# KiCad board JumperLuxRev2Breadboard.kicad_pcb
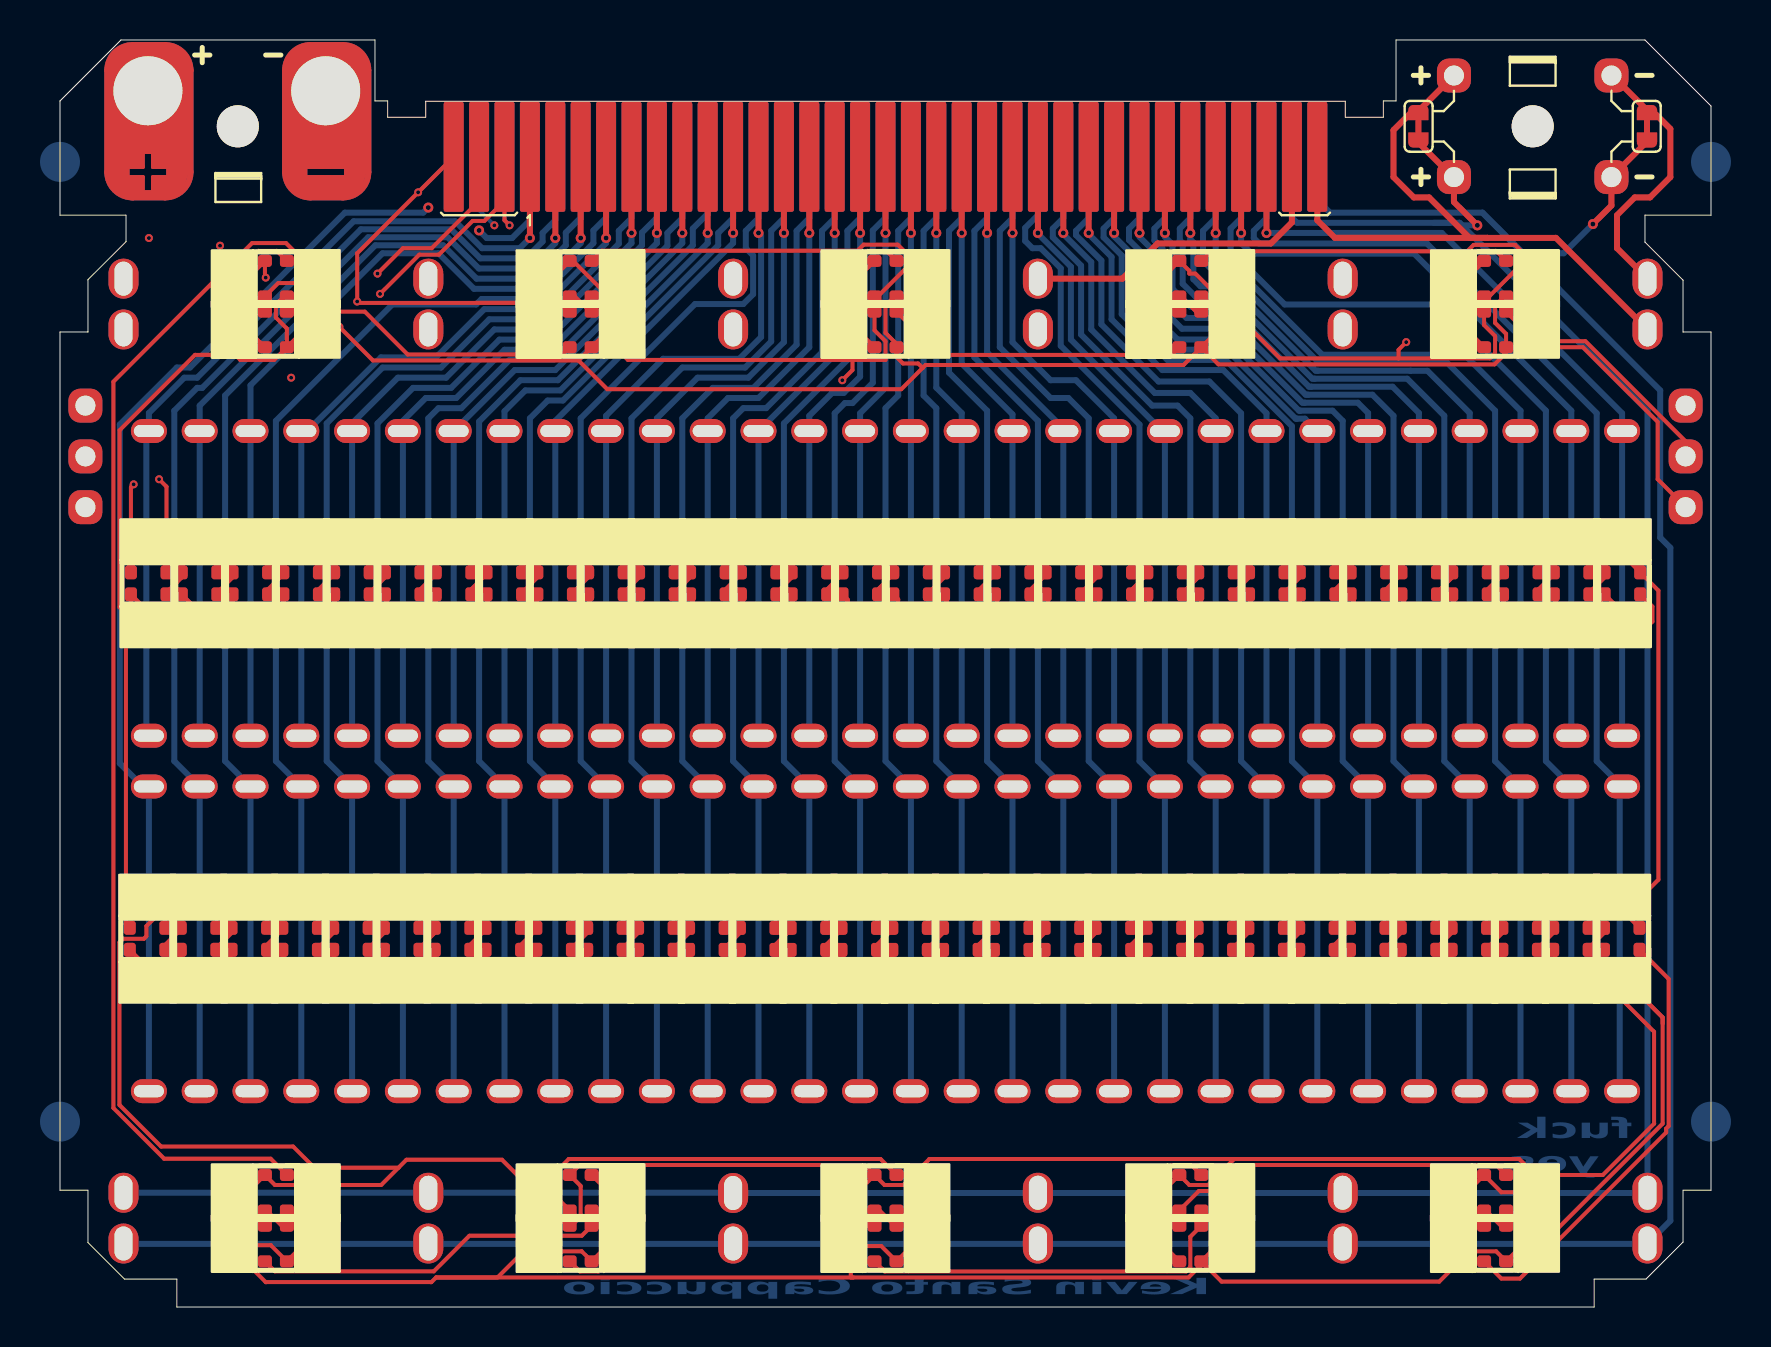
[diagram p0: board, top side]
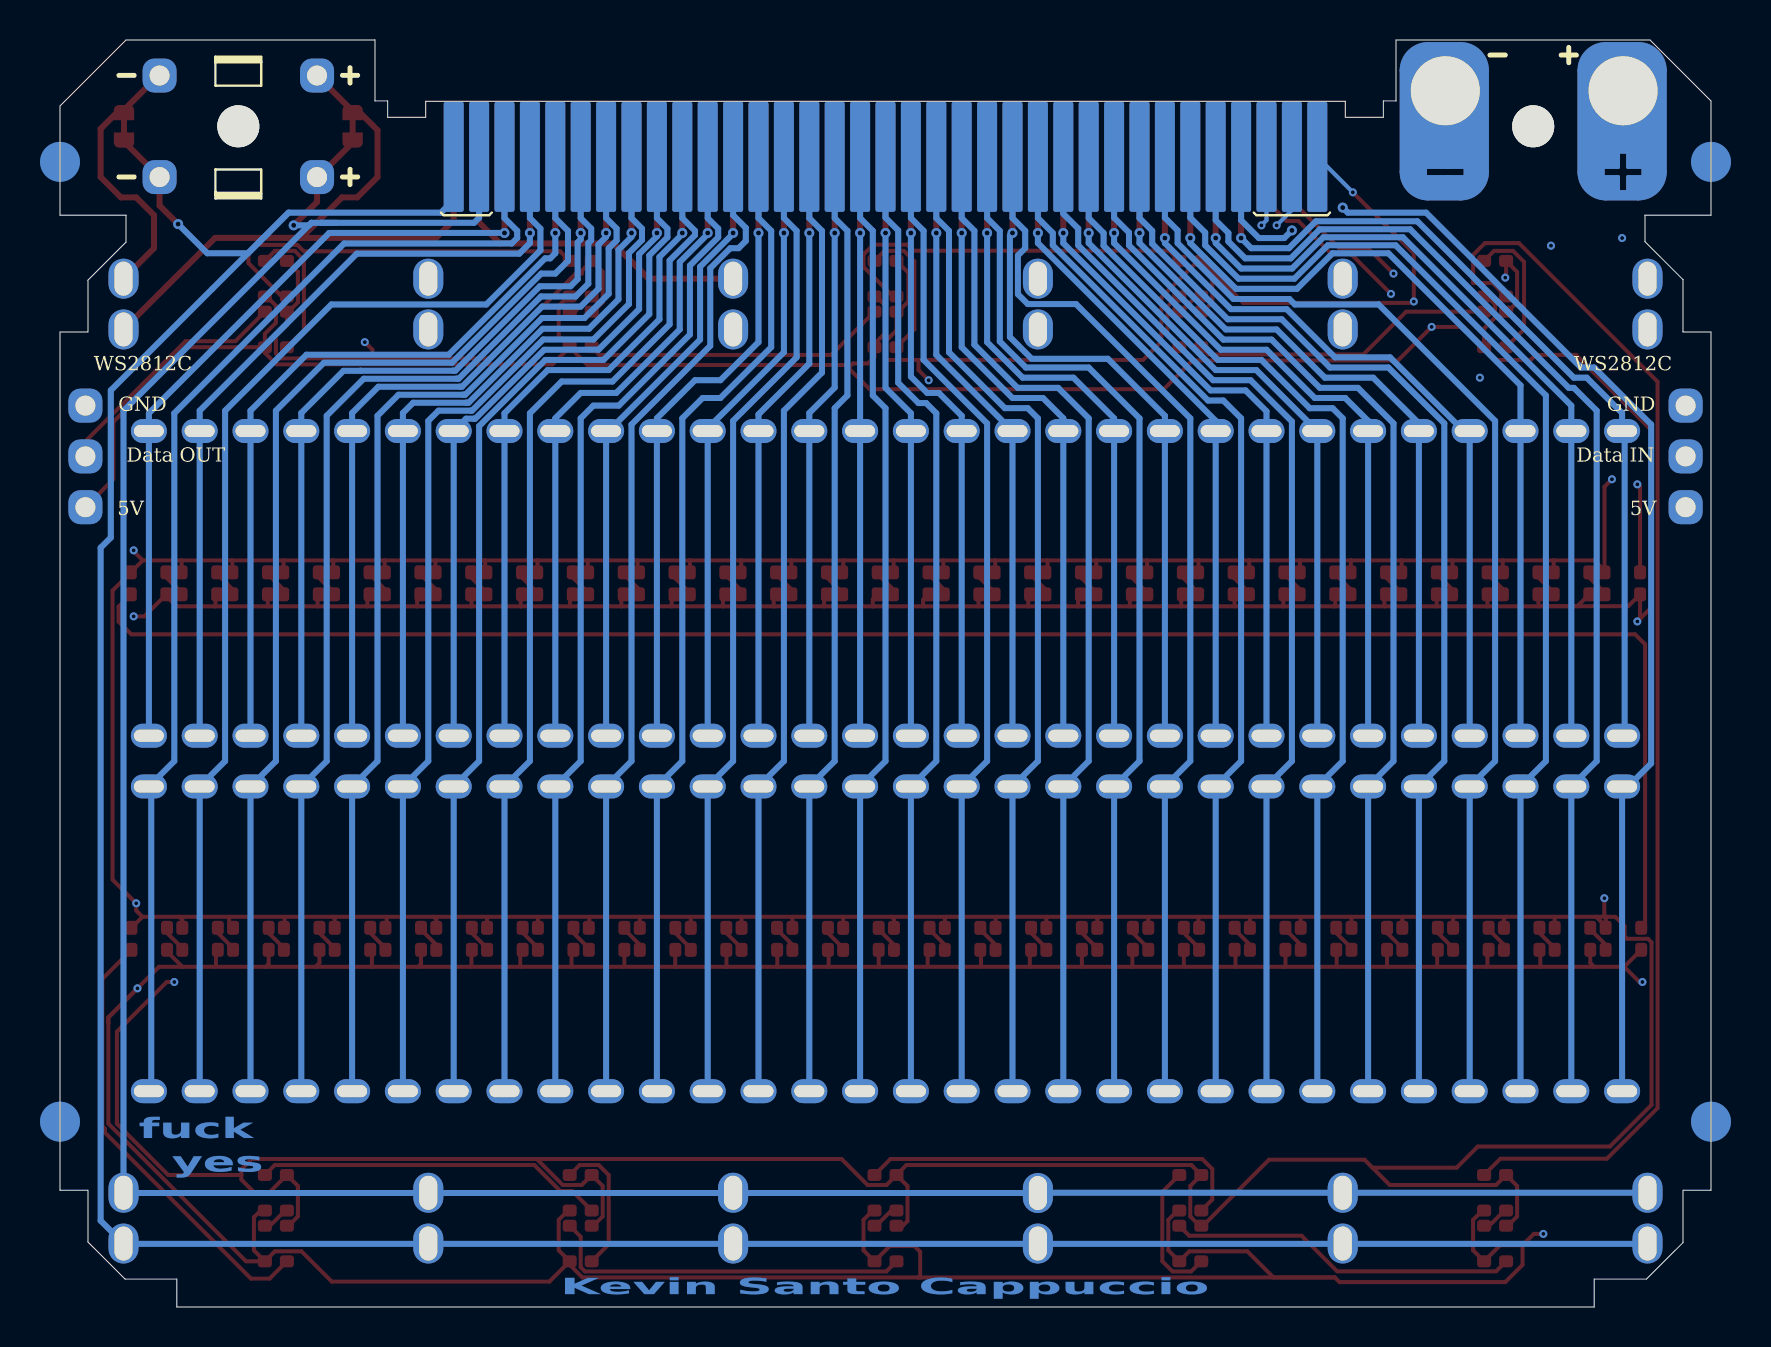
[diagram p1: board, bottom side, seen from below]

Outline 82.55 x 63.37 mm; copper layers: Top, In1.Cu, In2.Cu, Bottom. Coordinates in mm from the lower left corner of the outline.
Outline path: 16.38,60.32 15.75,60.32 15.75,63.37 3.05,63.37 0,60.32 0,54.61 3.3,54.61 3.3,53.29 1.4,51.38 1.4,48.77 0,48.77 0,5.84 1.4,5.84 1.4,3.23 3.23,1.4 5.84,1.4 5.84,0 76.71,0 76.71,1.4 79.3,1.4 81.15,3.25 81.15,5.84 82.55,5.84 82.55,48.77 81.15,48.77 81.15,51.36 79.25,53.26 79.25,54.61 82.55,54.61 82.55,60.07 79.25,63.37 66.8,63.37 66.8,60.32 66.17,60.32
Stack: Top 0.035mm / dielectric 0.1mm FR4 er 4.5 / In1.Cu 0.035mm / dielectric 1.24mm FR4 er 4.5 / In2.Cu 0.035mm / dielectric 0.1mm FR4 er 4.5 / Bottom 0.035mm

## Placement (name value [footprint] x y rotation side)
D1  WS2812B  [LED_WS2812B-2020_PLCC4_2.0x2.0mm]  4.44 36.19 90 top
D2  WS2812B  [LED_WS2812B-2020_PLCC4_2.0x2.0mm]  6.98 36.19 90 top
D3  WS2812B  [LED_WS2812B-2020_PLCC4_2.0x2.0mm]  9.52 36.19 90 top
D4  WS2812B  [LED_WS2812B-2020_PLCC4_2.0x2.0mm]  12.06 36.19 90 top
D5  WS2812B  [LED_WS2812B-2020_PLCC4_2.0x2.0mm]  14.6 36.19 90 top
D6  WS2812B  [LED_WS2812B-2020_PLCC4_2.0x2.0mm]  17.14 36.19 90 top
D7  WS2812B  [LED_WS2812B-2020_PLCC4_2.0x2.0mm]  19.68 36.19 90 top
D8  WS2812B  [LED_WS2812B-2020_PLCC4_2.0x2.0mm]  22.22 36.19 90 top
D9  WS2812B  [LED_WS2812B-2020_PLCC4_2.0x2.0mm]  24.76 36.19 90 top
D10  WS2812B  [LED_WS2812B-2020_PLCC4_2.0x2.0mm]  27.3 36.19 90 top
D11  WS2812B  [LED_WS2812B-2020_PLCC4_2.0x2.0mm]  29.85 36.19 90 top
D12  WS2812B  [LED_WS2812B-2020_PLCC4_2.0x2.0mm]  32.39 36.19 90 top
D13  WS2812B  [LED_WS2812B-2020_PLCC4_2.0x2.0mm]  34.93 36.19 90 top
D14  WS2812B  [LED_WS2812B-2020_PLCC4_2.0x2.0mm]  37.47 36.19 90 top
D15  WS2812B  [LED_WS2812B-2020_PLCC4_2.0x2.0mm]  40.01 36.19 90 top
D16  WS2812B  [LED_WS2812B-2020_PLCC4_2.0x2.0mm]  42.55 36.19 90 top
D17  WS2812B  [LED_WS2812B-2020_PLCC4_2.0x2.0mm]  45.09 36.19 90 top
D18  WS2812B  [LED_WS2812B-2020_PLCC4_2.0x2.0mm]  47.63 36.19 90 top
D19  WS2812B  [LED_WS2812B-2020_PLCC4_2.0x2.0mm]  50.17 36.19 90 top
D20  WS2812B  [LED_WS2812B-2020_PLCC4_2.0x2.0mm]  52.71 36.19 90 top
D21  WS2812B  [LED_WS2812B-2020_PLCC4_2.0x2.0mm]  55.25 36.2 90 top
D22  WS2812B  [LED_WS2812B-2020_PLCC4_2.0x2.0mm]  57.8 36.2 90 top
D23  WS2812B  [LED_WS2812B-2020_PLCC4_2.0x2.0mm]  60.34 36.2 90 top
D24  WS2812B  [LED_WS2812B-2020_PLCC4_2.0x2.0mm]  62.88 36.2 90 top
D25  WS2812B  [LED_WS2812B-2020_PLCC4_2.0x2.0mm]  65.42 36.2 90 top
D26  WS2812B  [LED_WS2812B-2020_PLCC4_2.0x2.0mm]  67.96 36.2 90 top
D27  WS2812B  [LED_WS2812B-2020_PLCC4_2.0x2.0mm]  70.5 36.2 90 top
D28  WS2812B  [LED_WS2812B-2020_PLCC4_2.0x2.0mm]  73.04 36.2 90 top
D29  WS2812B  [LED_WS2812B-2020_PLCC4_2.0x2.0mm]  75.58 36.2 90 top
D30  WS2812B  [LED_WS2812B-2020_PLCC4_2.0x2.0mm]  78.12 36.2 90 top
D31  WS2812B  [LED_WS2812B-2020_PLCC4_2.0x2.0mm]  4.38 18.42 90 top
D32  WS2812B  [LED_WS2812B-2020_PLCC4_2.0x2.0mm]  6.93 18.42 90 top
D33  WS2812B  [LED_WS2812B-2020_PLCC4_2.0x2.0mm]  9.47 18.42 90 top
D34  WS2812B  [LED_WS2812B-2020_PLCC4_2.0x2.0mm]  12.01 18.42 90 top
D35  WS2812B  [LED_WS2812B-2020_PLCC4_2.0x2.0mm]  14.55 18.42 90 top
D36  WS2812B  [LED_WS2812B-2020_PLCC4_2.0x2.0mm]  17.09 18.42 90 top
D37  WS2812B  [LED_WS2812B-2020_PLCC4_2.0x2.0mm]  19.63 18.42 90 top
D38  WS2812B  [LED_WS2812B-2020_PLCC4_2.0x2.0mm]  22.17 18.42 90 top
D39  WS2812B  [LED_WS2812B-2020_PLCC4_2.0x2.0mm]  24.71 18.42 90 top
D40  WS2812B  [LED_WS2812B-2020_PLCC4_2.0x2.0mm]  27.25 18.42 90 top
D41  WS2812B  [LED_WS2812B-2020_PLCC4_2.0x2.0mm]  29.79 18.42 90 top
D42  WS2812B  [LED_WS2812B-2020_PLCC4_2.0x2.0mm]  32.34 18.41 90 top
D43  WS2812B  [LED_WS2812B-2020_PLCC4_2.0x2.0mm]  34.88 18.41 90 top
D44  WS2812B  [LED_WS2812B-2020_PLCC4_2.0x2.0mm]  37.42 18.41 90 top
D45  WS2812B  [LED_WS2812B-2020_PLCC4_2.0x2.0mm]  39.96 18.41 90 top
D46  WS2812B  [LED_WS2812B-2020_PLCC4_2.0x2.0mm]  42.5 18.41 90 top
D47  WS2812B  [LED_WS2812B-2020_PLCC4_2.0x2.0mm]  45.04 18.41 90 top
D48  WS2812B  [LED_WS2812B-2020_PLCC4_2.0x2.0mm]  47.58 18.41 90 top
D49  WS2812B  [LED_WS2812B-2020_PLCC4_2.0x2.0mm]  50.12 18.41 90 top
D50  WS2812B  [LED_WS2812B-2020_PLCC4_2.0x2.0mm]  52.67 18.41 90 top
D51  WS2812B  [LED_WS2812B-2020_PLCC4_2.0x2.0mm]  55.22 18.42 90 top
D52  WS2812B  [LED_WS2812B-2020_PLCC4_2.0x2.0mm]  57.77 18.42 90 top
D53  WS2812B  [LED_WS2812B-2020_PLCC4_2.0x2.0mm]  60.31 18.42 90 top
D54  WS2812B  [LED_WS2812B-2020_PLCC4_2.0x2.0mm]  62.85 18.42 90 top
D55  WS2812B  [LED_WS2812B-2020_PLCC4_2.0x2.0mm]  65.39 18.42 90 top
D56  WS2812B  [LED_WS2812B-2020_PLCC4_2.0x2.0mm]  67.93 18.42 90 top
D57  WS2812B  [LED_WS2812B-2020_PLCC4_2.0x2.0mm]  70.47 18.42 90 top
D58  WS2812B  [LED_WS2812B-2020_PLCC4_2.0x2.0mm]  73.01 18.42 90 top
D59  WS2812B  [LED_WS2812B-2020_PLCC4_2.0x2.0mm]  75.55 18.42 90 top
D60  WS2812B  [LED_WS2812B-2020_PLCC4_2.0x2.0mm]  78.09 18.42 90 top
D71  WS2812B  [LED_WS2812B-2020_PLCC4_2.0x2.0mm]  71.76 3.17 180 top
D72  WS2812B  [LED_WS2812B-2020_PLCC4_2.0x2.0mm]  71.76 5.71 180 top
D73  WS2812B  [LED_WS2812B-2020_PLCC4_2.0x2.0mm]  56.52 5.71 180 top
D74  WS2812B  [LED_WS2812B-2020_PLCC4_2.0x2.0mm]  56.52 3.17 180 top
D75  WS2812B  [LED_WS2812B-2020_PLCC4_2.0x2.0mm]  41.27 3.17 180 top
D76  WS2812B  [LED_WS2812B-2020_PLCC4_2.0x2.0mm]  41.27 5.71 180 top
D77  WS2812B  [LED_WS2812B-2020_PLCC4_2.0x2.0mm]  26.04 5.71 180 top
D78  WS2812B  [LED_WS2812B-2020_PLCC4_2.0x2.0mm]  26.04 3.17 180 top
D79  WS2812B  [LED_WS2812B-2020_PLCC4_2.0x2.0mm]  10.8 3.17 180 top
D80  WS2812B  [LED_WS2812B-2020_PLCC4_2.0x2.0mm]  10.79 5.71 180 top
D81  WS2812B  [LED_WS2812B-2020_PLCC4_2.0x2.0mm]  10.8 51.44 180 top
D82  WS2812B  [LED_WS2812B-2020_PLCC4_2.0x2.0mm]  10.8 48.89 180 top
D83  WS2812B  [LED_WS2812B-2020_PLCC4_2.0x2.0mm]  26.04 48.89 180 top
D84  WS2812B  [LED_WS2812B-2020_PLCC4_2.0x2.0mm]  26.04 51.44 180 top
D85  WS2812B  [LED_WS2812B-2020_PLCC4_2.0x2.0mm]  41.27 51.44 180 top
D86  WS2812B  [LED_WS2812B-2020_PLCC4_2.0x2.0mm]  41.27 48.89 180 top
D87  WS2812B  [LED_WS2812B-2020_PLCC4_2.0x2.0mm]  56.52 48.89 180 top
D88  WS2812B  [LED_WS2812B-2020_PLCC4_2.0x2.0mm]  56.52 51.44 180 top
D89  WS2812B  [LED_WS2812B-2020_PLCC4_2.0x2.0mm]  71.76 51.44 180 top
D90  WS2812B  [LED_WS2812B-2020_PLCC4_2.0x2.0mm]  71.76 48.89 180 top
J1  Conn_02x35_Top_Bottom  [HEE70LP03BK]  41.27 56.01 0 top
J11  Connector_Breadboard  [Breadboard_CustomClips_CorrectPins_1]  41.27 27.3 0 top
JP1  POS_TOP_BOTTOM  [SolderJumper_2_Bridged_Small]  67.92 59.05 90 top
JP2  NEG_TOP_BOTTOM  [SolderJumper_2_Bridged_Small]  79.35 59.05 270 top
NOREF  -  [unnamed]  82.55 9.27 0 top
NOREF#2  -  [unnamed]  0 57.28 0 top
NOREF#3  -  [unnamed]  0 9.27 0 top
NOREF#4  -  [unnamed]  82.55 57.28 0 top
REF**  -  [MountingHole_2.7mm_M2.5]  73.63 59.05 0 top
REF**#2  -  [MountingHole_2.7mm_M2.5]  8.89 59.05 0 top
TP15  LED DOUT  [PinHeader_1x01_P2.54mm_Vertical_Rounded]  81.28 42.54 0 top
TP16  LED DIN  [PinHeader_1x01_P2.54mm_Vertical_Rounded]  1.27 42.54 0 top
TP20  LED GND  [PinHeader_1x01_P2.54mm_Vertical_Rounded]  1.27 45.08 0 top
TP21  LED 5V  [PinHeader_1x01_P2.54mm_Vertical_Rounded]  1.27 40 0 top
TP22  LED 5V  [PinHeader_1x01_P2.54mm_Vertical_Rounded]  81.28 40 0 top
TP23  LED GND  [PinHeader_1x01_P2.54mm_Vertical_Rounded]  81.28 45.08 0 top
TP24  TOP_POS_RAIL  [Pad_Clip_Banana_PlusSmaller]  4.4 60.83 0 top
TP25  TOP_POS_RAIL  [PinHeader_1x01_P2.54mm_Vertical_Rounded]  69.7 61.59 90 top
TP26  TOP_NEG_RAIL  [Pad_Clip_Banana_Minus]  13.29 60.83 0 top
TP27  TOP_NEG_RAIL  [PinHeader_1x01_P2.54mm_Vertical_Rounded]  77.57 61.59 90 top
TP29  BOTTOM_POS_RAIL  [PinHeader_1x01_P2.54mm_Vertical_Rounded]  69.7 56.51 90 top
TP31  BOTTOM_NEG_RAIL  [PinHeader_1x01_P2.54mm_Vertical_Rounded]  77.57 56.51 90 top

## Library data of the parts
D1-D60 D71-D90 = -: Description: RGB LED with integrated controller
J1 = -: Description: Generic connector, double row, 02x35, top/bottom pin numbering scheme (row 1: 1...pins_per_row, row2: pins_per_row+1 ... num_pins), script generated (kicad-library-utils/schlib/autogen/connector/)
JP1 JP2 = -: Description: Jumper, 2-pole, closed/bridged
TP15 TP16 TP20-TP27 TP29 TP31 = -: Description: test point

## Footprints (pads in the part's own frame, mm; a bottom-side part is the same pattern mirrored in y, then rotated)
Breadboard_CustomClips_CorrectPins_1
  oval 1.8x1.2 hole 1.5x0.6: 1(-36.83,16.51) 1(-36.83,1.27) 2(-34.29,16.51) 2(-34.29,1.27) 3(-31.75,16.51) 3(-31.75,1.27) 4(-29.21,16.51) 4(-29.21,1.27) 5(-26.67,16.51) 5(-26.67,1.27) 6(-24.13,16.51) 6(-24.13,1.27) 7(-21.59,16.51) 7(-21.59,1.27) 8(-19.05,16.51) 8(-19.05,1.27) 9(-16.51,16.51) 9(-16.51,1.27) 10(-13.97,16.51) 10(-13.97,1.27) 11(-11.43,16.51) 11(-11.43,1.27) 12(-8.89,16.51) 12(-8.89,1.27) 13(-6.35,16.51) 13(-6.35,1.27) 14(-3.81,16.51) 14(-3.81,1.27) 15(-1.27,16.51) 15(-1.27,1.27) 16(1.27,16.51) 16(1.27,1.27) 17(3.81,16.51) 17(3.81,1.27) 18(6.35,16.51) 18(6.35,1.27) 19(8.89,16.51) 19(8.89,1.27) 20(11.43,16.51) 20(11.43,1.27) 21(13.97,16.51) 21(13.97,1.27) 22(16.51,16.51) 22(16.51,1.27) 23(19.05,16.51) 23(19.05,1.27) 24(21.59,16.51) 24(21.59,1.27) 25(24.13,16.51) 25(24.13,1.27) 26(26.67,16.51) 26(26.67,1.27) 27(29.21,16.51) 27(29.21,1.27) 28(31.75,16.51) 28(31.75,1.27) 29(34.29,16.51) 29(34.29,1.27) 30(36.83,16.51) 30(36.83,1.27) 31(-36.83,-1.27) 31(-36.83,-16.51) 32(-34.29,-1.27) 32(-34.29,-16.51) 33(-31.75,-1.27) 33(-31.75,-16.51) 34(-29.21,-1.27) 34(-29.21,-16.51) 35(-26.67,-1.27) 35(-26.67,-16.51) 36(-24.13,-1.27) 36(-24.13,-16.51) 37(-21.59,-1.27) 37(-21.59,-16.51) 38(-19.05,-1.27) 38(-19.05,-16.51) 39(-16.51,-1.27) 39(-16.51,-16.51) 40(-13.97,-1.27) 40(-13.97,-16.51) 41(-11.43,-1.27) 41(-11.43,-16.51) 42(-8.89,-1.27) 42(-8.89,-16.51) 43(-6.35,-1.27) 43(-6.35,-16.51) 44(-3.81,-1.27) 44(-3.81,-16.51) 45(-1.27,-1.27) 45(-1.27,-16.51) 46(1.27,-1.27) 46(1.27,-16.51) 47(3.81,-1.27) 47(3.81,-16.51) 48(6.35,-1.27) 48(6.35,-16.51) 49(8.89,-1.27) 49(8.89,-16.51) 50(11.43,-1.27) 50(11.43,-16.51) 51(13.97,-1.27) 51(13.97,-16.51) 52(16.51,-1.27) 52(16.51,-16.51) 53(19.05,-1.27) 53(19.05,-16.51) 54(21.59,-1.27) 54(21.59,-16.51) 55(24.13,-1.27) 55(24.13,-16.51) 56(26.67,-1.27) 56(26.67,-16.51) 57(29.21,-1.27) 57(29.21,-16.51) 58(31.75,-1.27) 58(31.75,-16.51) 59(34.29,-1.27) 59(34.29,-16.51) 60(36.83,-1.27) 60(36.83,-16.51)
  oval 1.5x2 hole 0.9x1.7: 61(-38.1,24.13) 61(-22.86,24.13) 61(-7.62,24.13) 61(7.62,24.13) 61(22.86,24.13) 61(38.1,24.13) 62(-38.1,21.59) 62(-22.86,21.59) 62(-7.62,21.59) 62(7.62,21.59) 62(22.86,21.59) 62(38.1,21.59) 63(-38.1,-21.59) 63(-22.86,-21.59) 63(-7.62,-21.603) 63(7.62,-21.59) 63(22.86,-21.59) 63(38.1,-21.59) 64(-38.1,-24.13) 64(-22.86,-24.13) 64(-7.62,-24.13) 64(7.62,-24.13) 64(22.86,-24.13) 64(38.1,-24.13)
HEE70LP03BK
  rrect 1x5.5 smd: 1(-17.78,1.524) 2(-16.51,1.524) 3(-15.24,1.524) 4(-13.97,1.524) 5(-12.7,1.524) 6(-11.43,1.524) 7(-10.16,1.524) 8(-8.89,1.524) 9(-7.62,1.524) 10(-6.35,1.524) 11(-5.08,1.524) 12(-3.81,1.524) 13(-2.54,1.524) 14(-1.27,1.524) 15(0,1.524) 16(1.27,1.524) 17(2.54,1.524) 18(3.81,1.524) 19(5.08,1.524) 20(6.35,1.524) 21(7.62,1.524) 22(8.89,1.524) 23(10.16,1.524) 24(11.43,1.524) 25(12.7,1.524) 26(13.97,1.524) 27(15.24,1.524) 28(16.51,1.524) 29(17.78,1.524) 30(19.05,1.524) 61(20.32,1.524) 62(21.59,1.524) 68(-21.59,1.524) 69(-20.32,1.524) 70(-19.05,1.524)
  rrect 1x5.5 smd far side: 31(-17.78,1.524) 32(-16.51,1.524) 33(-15.24,1.524) 34(-13.97,1.524) 35(-12.7,1.524) 36(-11.43,1.524) 37(-10.16,1.524) 38(-8.89,1.524) 39(-7.62,1.524) 40(-6.35,1.524) 41(-5.08,1.524) 42(-3.81,1.524) 43(-2.54,1.524) 44(-1.27,1.524) 45(0,1.524) 46(1.27,1.524) 47(2.54,1.524) 48(3.81,1.524) 49(5.08,1.524) 50(6.35,1.524) 51(7.62,1.524) 52(8.89,1.524) 53(10.16,1.524) 54(11.43,1.524) 55(12.7,1.524) 56(13.97,1.524) 57(15.24,1.524) 58(16.51,1.524) 59(17.78,1.524) 60(19.05,1.524) 63(20.32,1.524) 64(21.59,1.524) 65(-21.59,1.524) 66(-20.32,1.524) 67(-19.05,1.524)
LED_WS2812B-2020_PLCC4_2.0x2.0mm
  rrect 0.7x0.6 smd: 1(-0.55,-0.889) 2(0.55,-0.889) 3(0.55,0.889) 4(-0.55,0.889)
MountingHole_2.7mm_M2.5
  round 2.1 hole 2.1 unplated: (0,0)
Pad_Clip_Banana_Minus
  round 4 hole 3.45: 1(0,0)
Pad_Clip_Banana_PlusSmaller
  round 4 hole 3.45: 1(0,0)
PinHeader_1x01_P2.54mm_Vertical_Rounded
  rrect 1.7x1.7 hole 1: 1(0,0)
SolderJumper_2_Bridged_Small
  custom 1.704x1.016 smd: 1(-0.813,0)
  custom 0.762x1.016 smd: 2(0.813,0)
unnamed
  round 2 smd far side: 1(0,0)

## Nets
LED_5V: D1.4 D2.4 D3.4 D4.4 D5.4 D6.4 D7.4 D8.4 D9.4 D10.4 D11.4 D12.4 D13.4 D14.4 D15.4 D16.4 D17.4 D18.4 D19.4 D20.4 D21.4 D22.4 D23.4 D24.4 D25.4 D26.4 D27.4 D28.4 D29.4 D30.4 D31.4 D32.4 D33.4 D34.4 D35.4 D36.4 D37.4 D38.4 D39.4 D40.4 D41.4 D42.4 D43.4 D44.4 D45.4 D46.4 D47.4 D48.4 D49.4 D50.4 D51.4 D52.4 D53.4 D54.4 D55.4 D56.4 D57.4 D58.4 D59.4 D60.4 D71.4 D72.4 D73.4 D74.4 D75.4 D76.4 D77.4 D78.4 D79.4 D80.4 D81.4 D82.4 D83.4 D84.4 D85.4 D86.4 D87.4 D88.4 D89.4 D90.4 J1.67 J1.70 TP21.1 TP22.1
LED_GND: D1.2 D2.2 D3.2 D4.2 D5.2 D6.2 D7.2 D8.2 D9.2 D10.2 D11.2 D12.2 D13.2 D14.2 D15.2 D16.2 D17.2 D18.2 D19.2 D20.2 D21.2 D22.2 D23.2 D24.2 D25.2 D26.2 D27.2 D28.2 D29.2 D30.2 D31.2 D32.2 D33.2 D34.2 D35.2 D36.2 D37.2 D38.2 D39.2 D40.2 D41.2 D42.2 D43.2 D44.2 D45.2 D46.2 D47.2 D48.2 D49.2 D50.2 D51.2 D52.2 D53.2 D54.2 D55.2 D56.2 D57.2 D58.2 D59.2 D60.2 D71.2 D72.2 D73.2 D74.2 D75.2 D76.2 D77.2 D78.2 D79.2 D80.2 D81.2 D82.2 D83.2 D84.2 D85.2 D86.2 D87.2 D88.2 D89.2 D90.2 J1.65 J1.68 TP20.1 TP23.1
LED_IN: D1.3 J1.69 TP16.1
LED_OUT: D90.1 J1.66 TP15.1
Net-(D1-DOUT): D1.1 D2.3
Net-(D2-DOUT): D2.1 D3.3
Net-(D3-DOUT): D3.1 D4.3
Net-(D4-DOUT): D4.1 D5.3
Net-(D5-DOUT): D5.1 D6.3
Net-(D6-DOUT): D6.1 D7.3
Net-(D7-DOUT): D7.1 D8.3
Net-(D8-DOUT): D8.1 D9.3
Net-(D10-DIN): D9.1 D10.3
Net-(D10-DOUT): D10.1 D11.3
Net-(D11-DOUT): D11.1 D12.3
Net-(D12-DOUT): D12.1 D13.3
Net-(D13-DOUT): D13.1 D14.3
Net-(D14-DOUT): D14.1 D15.3
Net-(D15-DOUT): D15.1 D16.3
Net-(D16-DOUT): D16.1 D17.3
Net-(D17-DOUT): D17.1 D18.3
Net-(D18-DOUT): D18.1 D19.3
Net-(D19-DOUT): D19.1 D20.3
Net-(D20-DOUT): D20.1 D21.3
Net-(D21-DOUT): D21.1 D22.3
Net-(D22-DOUT): D22.1 D23.3
Net-(D23-DOUT): D23.1 D24.3
Net-(D24-DOUT): D24.1 D25.3
Net-(D25-DOUT): D25.1 D26.3
Net-(D26-DOUT): D26.1 D27.3
Net-(D27-DOUT): D27.1 D28.3
Net-(D28-DOUT): D28.1 D29.3
Net-(D29-DOUT): D29.1 D30.3
Net-(D30-DOUT): D30.1 D31.3
Net-(D31-DOUT): D31.1 D32.3
Net-(D32-DOUT): D32.1 D33.3
Net-(D33-DOUT): D33.1 D34.3
Net-(D34-DOUT): D34.1 D35.3
Net-(D35-DOUT): D35.1 D36.3
Net-(D36-DOUT): D36.1 D37.3
Net-(D37-DOUT): D37.1 D38.3
Net-(D38-DOUT): D38.1 D39.3
Net-(D39-DOUT): D39.1 D40.3
Net-(D40-DOUT): D40.1 D41.3
Net-(D41-DOUT): D41.1 D42.3
Net-(D42-DOUT): D42.1 D43.3
Net-(D43-DOUT): D43.1 D44.3
Net-(D44-DOUT): D44.1 D45.3
Net-(D45-DOUT): D45.1 D46.3
Net-(D46-DOUT): D46.1 D47.3
Net-(D47-DOUT): D47.1 D48.3
Net-(D48-DOUT): D48.1 D49.3
Net-(D49-DOUT): D49.1 D50.3
Net-(D50-DOUT): D50.1 D51.3
Net-(D51-DOUT): D51.1 D52.3
Net-(D52-DOUT): D52.1 D53.3
Net-(D53-DOUT): D53.1 D54.3
Net-(D54-DOUT): D54.1 D55.3
Net-(D55-DOUT): D55.1 D56.3
Net-(D56-DOUT): D56.1 D57.3
Net-(D57-DOUT): D57.1 D58.3
Net-(D58-DOUT): D58.1 D59.3
Net-(D59-DOUT): D59.1 D60.3
Net-(D60-DOUT): D60.1 D71.3
Net-(D71-DOUT): D71.1 D72.3
Net-(D72-DOUT): D72.1 D73.3
Net-(D73-DOUT): D73.1 D74.3
Net-(D74-DOUT): D74.1 D75.3
Net-(D75-DOUT): D75.1 D76.3
Net-(D76-DOUT): D76.1 D77.3
Net-(D77-DOUT): D77.1 D78.3
Net-(D78-DOUT): D78.1 D79.3
Net-(D79-DOUT): D79.1 D80.3
Net-(D80-DOUT): D80.1 D81.3
Net-(D81-DOUT): D81.1 D82.3
Net-(D82-DOUT): D82.1 D83.3
Net-(D83-DOUT): D83.1 D84.3
Net-(D84-DOUT): D84.1 D85.3
Net-(D85-DOUT): D85.1 D86.3
Net-(D86-DOUT): D86.1 D87.3
Net-(D87-DOUT): D87.1 D88.3
Net-(D88-DOUT): D88.1 D89.3
Net-(D89-DOUT): D89.1 D90.3
Net-(J1-Pin_1): J1.1 J11.1
Net-(J1-Pin_2): J1.2 J11.2
Net-(J1-Pin_3): J1.3 J11.3
Net-(J1-Pin_4): J1.4 J11.4
Net-(J1-Pin_5): J1.5 J11.5
Net-(J1-Pin_6): J1.6 J11.6
Net-(J1-Pin_7): J1.7 J11.7
Net-(J1-Pin_8): J1.8 J11.8
Net-(J1-Pin_9): J1.9 J11.9
Net-(J1-Pin_10): J1.10 J11.10
Net-(J1-Pin_11): J1.11 J11.11
Net-(J1-Pin_12): J1.12 J11.12
Net-(J1-Pin_13): J1.13 J11.13
Net-(J1-Pin_14): J1.14 J11.14
Net-(J1-Pin_15): J1.15 J11.15
Net-(J1-Pin_16): J1.16 J11.16
Net-(J1-Pin_17): J1.17 J11.17
Net-(J1-Pin_18): J1.18 J11.18
Net-(J1-Pin_19): J1.19 J11.19
Net-(J1-Pin_20): J1.20 J11.20
Net-(J1-Pin_21): J1.21 J11.21
Net-(J1-Pin_22): J1.22 J11.22
Net-(J1-Pin_23): J1.23 J11.23
Net-(J1-Pin_24): J1.24 J11.24
Net-(J1-Pin_25): J1.25 J11.25
Net-(J1-Pin_26): J1.26 J11.26
Net-(J1-Pin_27): J1.27 J11.27
Net-(J1-Pin_28): J1.28 J11.28
Net-(J1-Pin_29): J1.29 J11.29
Net-(J1-Pin_30): J1.30 J11.30
Net-(J1-Pin_31): J1.31 J11.31
Net-(J1-Pin_32): J1.32 J11.32
Net-(J1-Pin_33): J1.33 J11.33
Net-(J1-Pin_34): J1.34 J11.34
Net-(J1-Pin_35): J1.35 J11.35
Net-(J1-Pin_36): J1.36 J11.36
Net-(J1-Pin_37): J1.37 J11.37
Net-(J1-Pin_38): J1.38 J11.38
Net-(J1-Pin_39): J1.39 J11.39
Net-(J1-Pin_40): J1.40 J11.40
Net-(J1-Pin_41): J1.41 J11.41
Net-(J1-Pin_42): J1.42 J11.42
Net-(J1-Pin_43): J1.43 J11.43
Net-(J1-Pin_44): J1.44 J11.44
Net-(J1-Pin_45): J1.45 J11.45
Net-(J1-Pin_46): J1.46 J11.46
Net-(J1-Pin_47): J1.47 J11.47
Net-(J1-Pin_48): J1.48 J11.48
Net-(J1-Pin_49): J1.49 J11.49
Net-(J1-Pin_50): J1.50 J11.50
Net-(J1-Pin_51): J1.51 J11.51
Net-(J1-Pin_52): J1.52 J11.52
Net-(J1-Pin_53): J1.53 J11.53
Net-(J1-Pin_54): J1.54 J11.54
Net-(J1-Pin_55): J1.55 J11.55
Net-(J1-Pin_56): J1.56 J11.56
Net-(J1-Pin_57): J1.57 J11.57
Net-(J1-Pin_58): J1.58 J11.58
Net-(J1-Pin_59): J1.59 J11.59
Net-(J1-Pin_60): J1.60 J11.60
Net-(J1-Pin_61): J1.61 J11.61 JP2.1 TP26.1 TP27.1
Net-(J1-Pin_62): J1.62 J11.62 JP1.2 TP24.1 TP25.1
Net-(J1-Pin_63): J1.63 J11.63 JP1.1 TP29.1
Net-(J1-Pin_64): J1.64 J11.64 JP2.2 TP31.1

Pads without a net: NOREF 1; NOREF#2 1; NOREF#3 1; NOREF#4 1

## Via types
v1: diameter 0.4, hole 0.2, Top to Bottom, 24 vias
v2: diameter 0.5, hole 0.25, Top to Bottom, 34 vias

## Routing (per net, layer and track width the routed paths; a pad name or vN(x,y) marks a point on that pad's centre or on a via; arc(x,y) is an arc through that point)
LED_5V: length 522.8
  Top w0.2: D16.4 41.91,35.4 41.91,35.04 ; 39.4,35.04 39.4,35.37 D15.4 ; 39.4,35.04 41.91,35.04 ; 39.4,35.04 36.63,35.04 ; D46.4 41.61,17.06 41.66,17.02 ; 44.12,17.02 44.12,17.83 D47.4 ; 44.12,17.02 46.69,17.02 ; 44.12,17.02 41.66,17.02 ; v1(3.43,16.26) 3.58,16.26 4.34,17.02 ; 34.14,35.04 34.14,35.55 D13.4 ; 34.14,35.04 36.63,35.04 ; 34.14,35.04 31.65,35.04 ; 74.75,17.02 74.75,17.77 D59.4 ; 74.75,17.02 76.43,17.02 ; 74.75,17.02 72.26,17.02 ; 26.49,35.04 23.83,35.04 ; 26.49,35.04 26.49,35.56 D10.4 ; 26.49,35.04 29.06,35.04 ; 23.83,35.04 23.83,35.6 D9.4 ; 23.83,35.04 21.39,35.04 ; D23.4 59.51,35.58 59.51,35.04 ; D74.4 57.07,2.12 56.43,1.48 39.65,1.48 ; D74.4 57.62,2.84 57.62,4.36 57.15,4.83 D73.4 ; D74.4 58.08,1.27 68.96,1.27 70.48,2.79 71.81,2.79 D71.4 ; 72.16,35.04 72.16,35.64 D28.4 ; 72.16,35.04 69.67,35.04 ; 72.16,35.04 74.78,35.04 ; 72.39,4.83 D72.4 72.52,4.83 72.86,4.49 72.86,2.84 D71.4 ; 26.31,17.02 26.36,17.06 D40.4 ; 26.31,17.02 28.93,17.02 ; 26.31,17.02 23.77,17.02 ; 9.42,3.09 10.54,3.09 D79.4 11.9,2.84 11.9,4.36 11.43,4.83 D80.4 ; 9.42,3.09 8.86,3.66 v1(8.38,3.66) ; 9.42,3.09 9.42,2.11 10.29,1.24 18.57,1.24 18.81,1.48 ; 18.81,1.48 21.87,1.48 23.18,2.79 26.09,2.79 D78.4 27.13,2.84 27.13,4.36 26.67,4.83 D77.4 ; 18.81,1.48 39.65,1.48 ; 59.54,17.02 59.54,17.75 D53.4 ; 59.54,17.02 56.97,17.02 ; 59.54,17.02 61.98,17.02 ; 56.97,17.02 56.97,17.77 D52.4 ; 56.97,17.02 54.36,17.02 ; 51.79,17.02 51.79,17.78 51.78,17.79 D50.4 ; 51.79,17.02 49.23,17.02 ; 51.79,17.02 54.36,17.02 ; v1(78.87,34.54) 78.33,34.54 D30.4 77.23,35.56 76.71,35.04 74.78,35.04 ; D90.4 76.15,48.01 79.88,44.27 79.88,41.4 TP22.1 ; D90.4 72.31,47.73 71.73,47.15 57.92,47.15 D87.4 ; D90.4 72.31,48.68 71.76,49.23 71.76,50.08 72.22,50.55 D89.4 ; D37.4 18.72,17.85 18.72,17.02 ; D14.4 36.63,35.6 36.63,35.04 ; D19.4 49.4,35.53 49.4,35.04 ; 41.83,50.55 41.74,50.55 41.27,50.08 41.27,48.73 41.83,48.18 41.83,47.51 42.15,47.19 42.91,47.19 43.13,46.97 ; 64.64,17.02 66.95,17.02 ; 64.64,17.02 61.98,17.02 ; 64.64,17.02 64.5,17.16 D55.4 ; 66.95,17.02 66.95,17.78 D56.4 ; 66.95,17.02 69.77,17.02 ; 80.13,14.2 80.13,14.48 ; 80.13,14.2 80.13,14.48 ; 80.13,14.2 80.13,9.17 73.25,2.29 D71.4 ; 80.13,14.48 v1(78.68,15.94) ; 80.13,14.48 77.6,17.02 76.43,17.02 ; 16.33,35.04 13.72,35.04 ; 16.33,35.04 16.33,35.56 D6.4 ; 16.33,35.04 18.85,35.04 ; 13.72,35.04 13.72,35.64 D5.4 ; 13.72,35.04 11.18,35.04 ; 61.98,17.02 61.98,17.85 D54.4 ; 43.13,46.97 43.28,47.12 56.18,47.12 D87.4 ; 43.13,46.97 42.06,45.91 27.36,45.91 25.92,47.34 ; 5.84,17.02 6.04,17.21 D32.4 ; 5.84,17.02 8.53,17.02 ; 5.84,17.02 4.34,17.02 ; D57.4 69.58,17.21 69.77,17.02 ; 8.53,17.02 8.53,17.82 D33.4 ; 8.53,17.02 11.18,17.02 ; 11.18,17.02 11.18,17.81 D34.4 ; 11.18,17.02 13.69,17.02 ; 72.26,17.02 72.12,17.16 D58.4 ; 72.26,17.02 69.77,17.02 ; 74.78,35.04 74.78,35.56 D29.4 ; D4.4 11.18,35.64 11.18,35.04 ; D38.4 21.28,17.05 21.31,17.02 ; 69.67,35.04 67.18,35.04 ; 69.67,35.04 69.67,35.58 D27.4 ; v1(16,50.67) 17.96,52.63 18.94,52.63 20.63,54.32 21.22,54.32 22.23,55.33 J1.67 22.23,54.36 v1(22.48,54.1) ; D17.4 44.35,35.5 44.35,35.04 ; D24.4 61.98,35.63 61.98,35.04 ; 67.18,35.04 67.18,35.53 D26.4 ; 67.18,35.04 64.69,35.04 ; 54.48,35.04 54.48,35.53 D21.4 ; 54.48,35.04 57.05,35.04 ; 54.48,35.04 51.97,35.04 ; 25.92,47.34 D83.4 27.18,48.6 27.18,50.04 26.67,50.55 D84.4 ; 25.92,47.34 15.65,47.34 v1(13.97,49.02) 12.36,49.02 D82.4 ; 11.18,35.04 8.63,35.04 ; 21.39,35.04 21.39,35.59 D8.4 ; 21.39,35.04 18.85,35.04 ; D12.4 31.65,35.5 31.65,35.04 ; 49.4,35.04 46.86,35.04 ; 49.4,35.04 51.97,35.04 ; 46.86,35.04 46.86,35.53 D18.4 ; 46.86,35.04 44.35,35.04 ; 16.18,17.02 18.72,17.02 ; 16.18,17.02 16.2,17.04 D36.4 ; 16.18,17.02 13.69,17.02 ; 18.72,17.02 21.31,17.02 ; 31.42,17.02 31.45,17.05 D42.4 ; 31.42,17.02 28.93,17.02 ; 31.42,17.02 34.06,17.02 ; 49.23,17.02 49.23,17.86 D49.4 ; 49.23,17.02 46.69,17.02 ; 76.43,17.02 77.2,17.78 D60.4 ; 4.34,17.02 D31.4 ; 18.85,35.04 18.79,35.1 D7.4 ; 8.62,35.05 4.14,35.05 D1.4 3.55,34.43 v1(3.68,34.29) 2.98,34.99 2.98,43.85 6.75,47.62 8.76,47.62 9.02,47.37 10.71,47.37 D82.4 ; 8.62,35.05 8.63,35.04 ; 8.62,35.05 6.68,35.05 D2.4 ; 46.69,17.02 46.69,17.86 D48.4 ; D87.4 57.62,48.56 57.62,50.08 57.15,50.55 D88.4 ; 13.69,17.02 13.69,17.83 D35.4 ; 57.05,35.04 57.05,35.51 D22.4 ; 57.05,35.04 59.51,35.04 ; 8.63,35.04 D3.4 ; 61.98,35.04 59.51,35.04 ; 61.98,35.04 64.69,35.04 ; 51.97,35.04 51.97,35.5 D20.4 ; 39.65,1.48 39.54,1.48 39.54,2.76 39.83,3.05 41.06,3.05 41.83,2.29 42.38,2.84 42.38,4.36 41.91,4.83 41.83,4.83 ; D82.4 11.35,48.94 10.8,49.49 10.8,50.14 11.2,50.55 D81.4 ; 34.06,17.02 34.06,17.8 D43.4 ; 34.06,17.02 36.5,17.02 ; 41.91,35.04 44.35,35.04 ; D44.4 36.5,17.83 36.5,17.02 ; D39.4 23.77,17.82 23.77,17.02 ; 36.5,17.02 39.17,17.02 ; 39.17,17.02 39.17,17.77 D45.4 ; 39.17,17.02 41.66,17.02 ; D41.4 28.93,17.84 28.93,17.02 ; 31.65,35.04 29.06,35.04 ; 29.06,35.04 29.06,35.54 D11.4 ; 54.36,17.02 54.33,17.04 D51.4 ; D25.4 64.69,35.48 64.69,35.04 ; 21.31,17.02 23.77,17.02